# Altium PCB MCU025B.PcbDoc (part 1 of 3)
Units mm, origin at the board's own origin, x right, y up, seen from the top; angles counter-clockwise.
Board outline 60.42 x 146.24 mm, 6 copper layers (Top Signal, ISO GND, Middle Signal, PWR, SYS GND, Bottom Signal), stack 1.566 mm thick; 203 components, 176 nets, 822 pads, 366 vias.
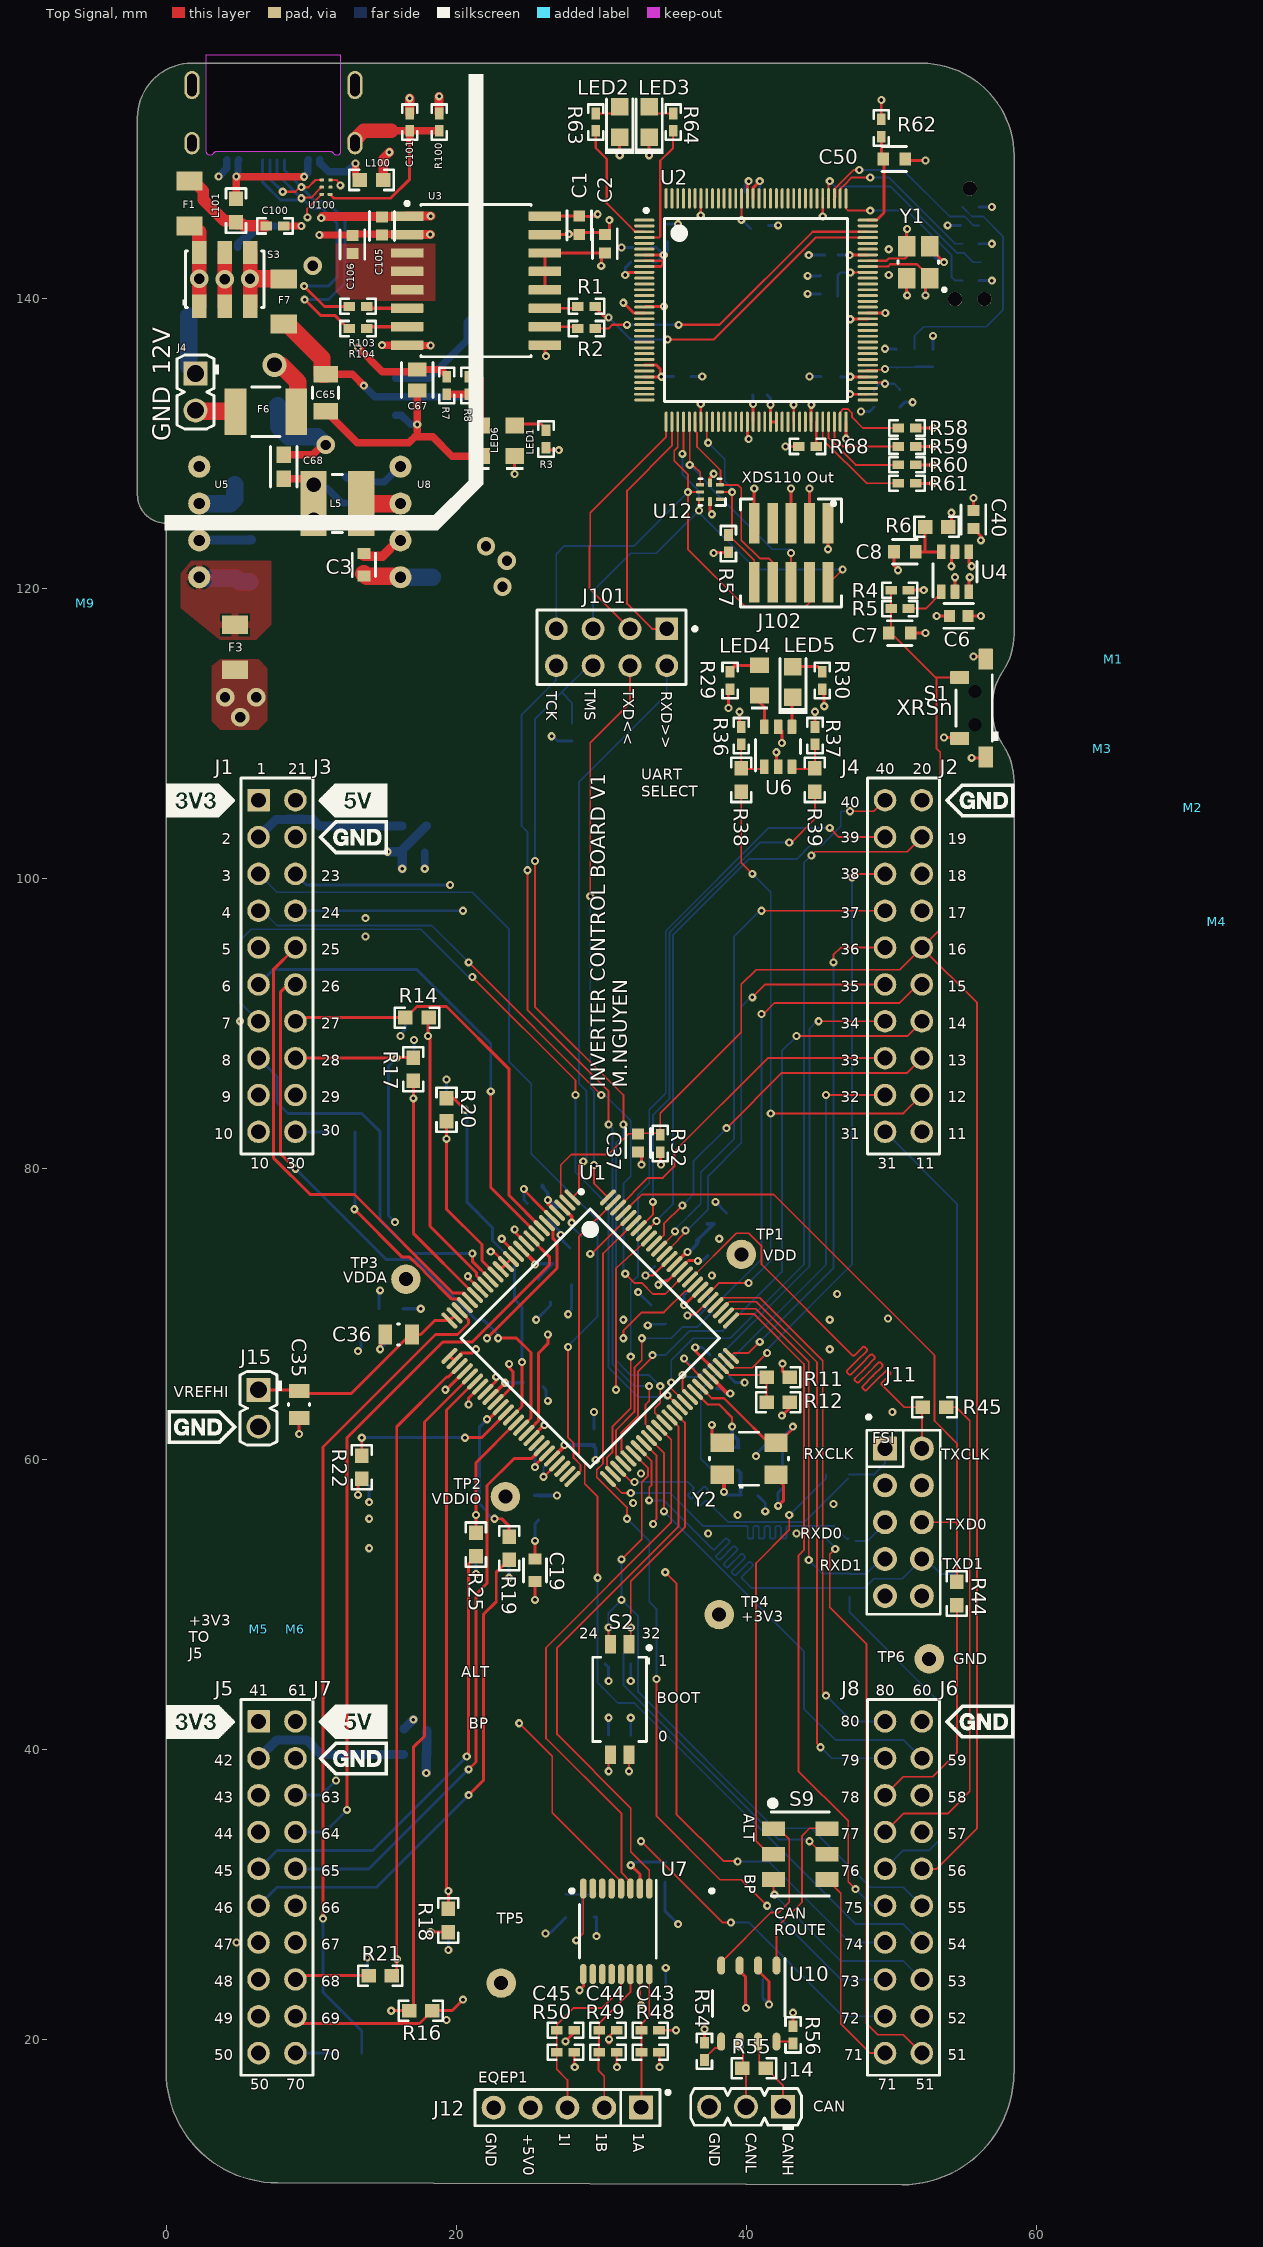
[diagram p0: Top Signal view]
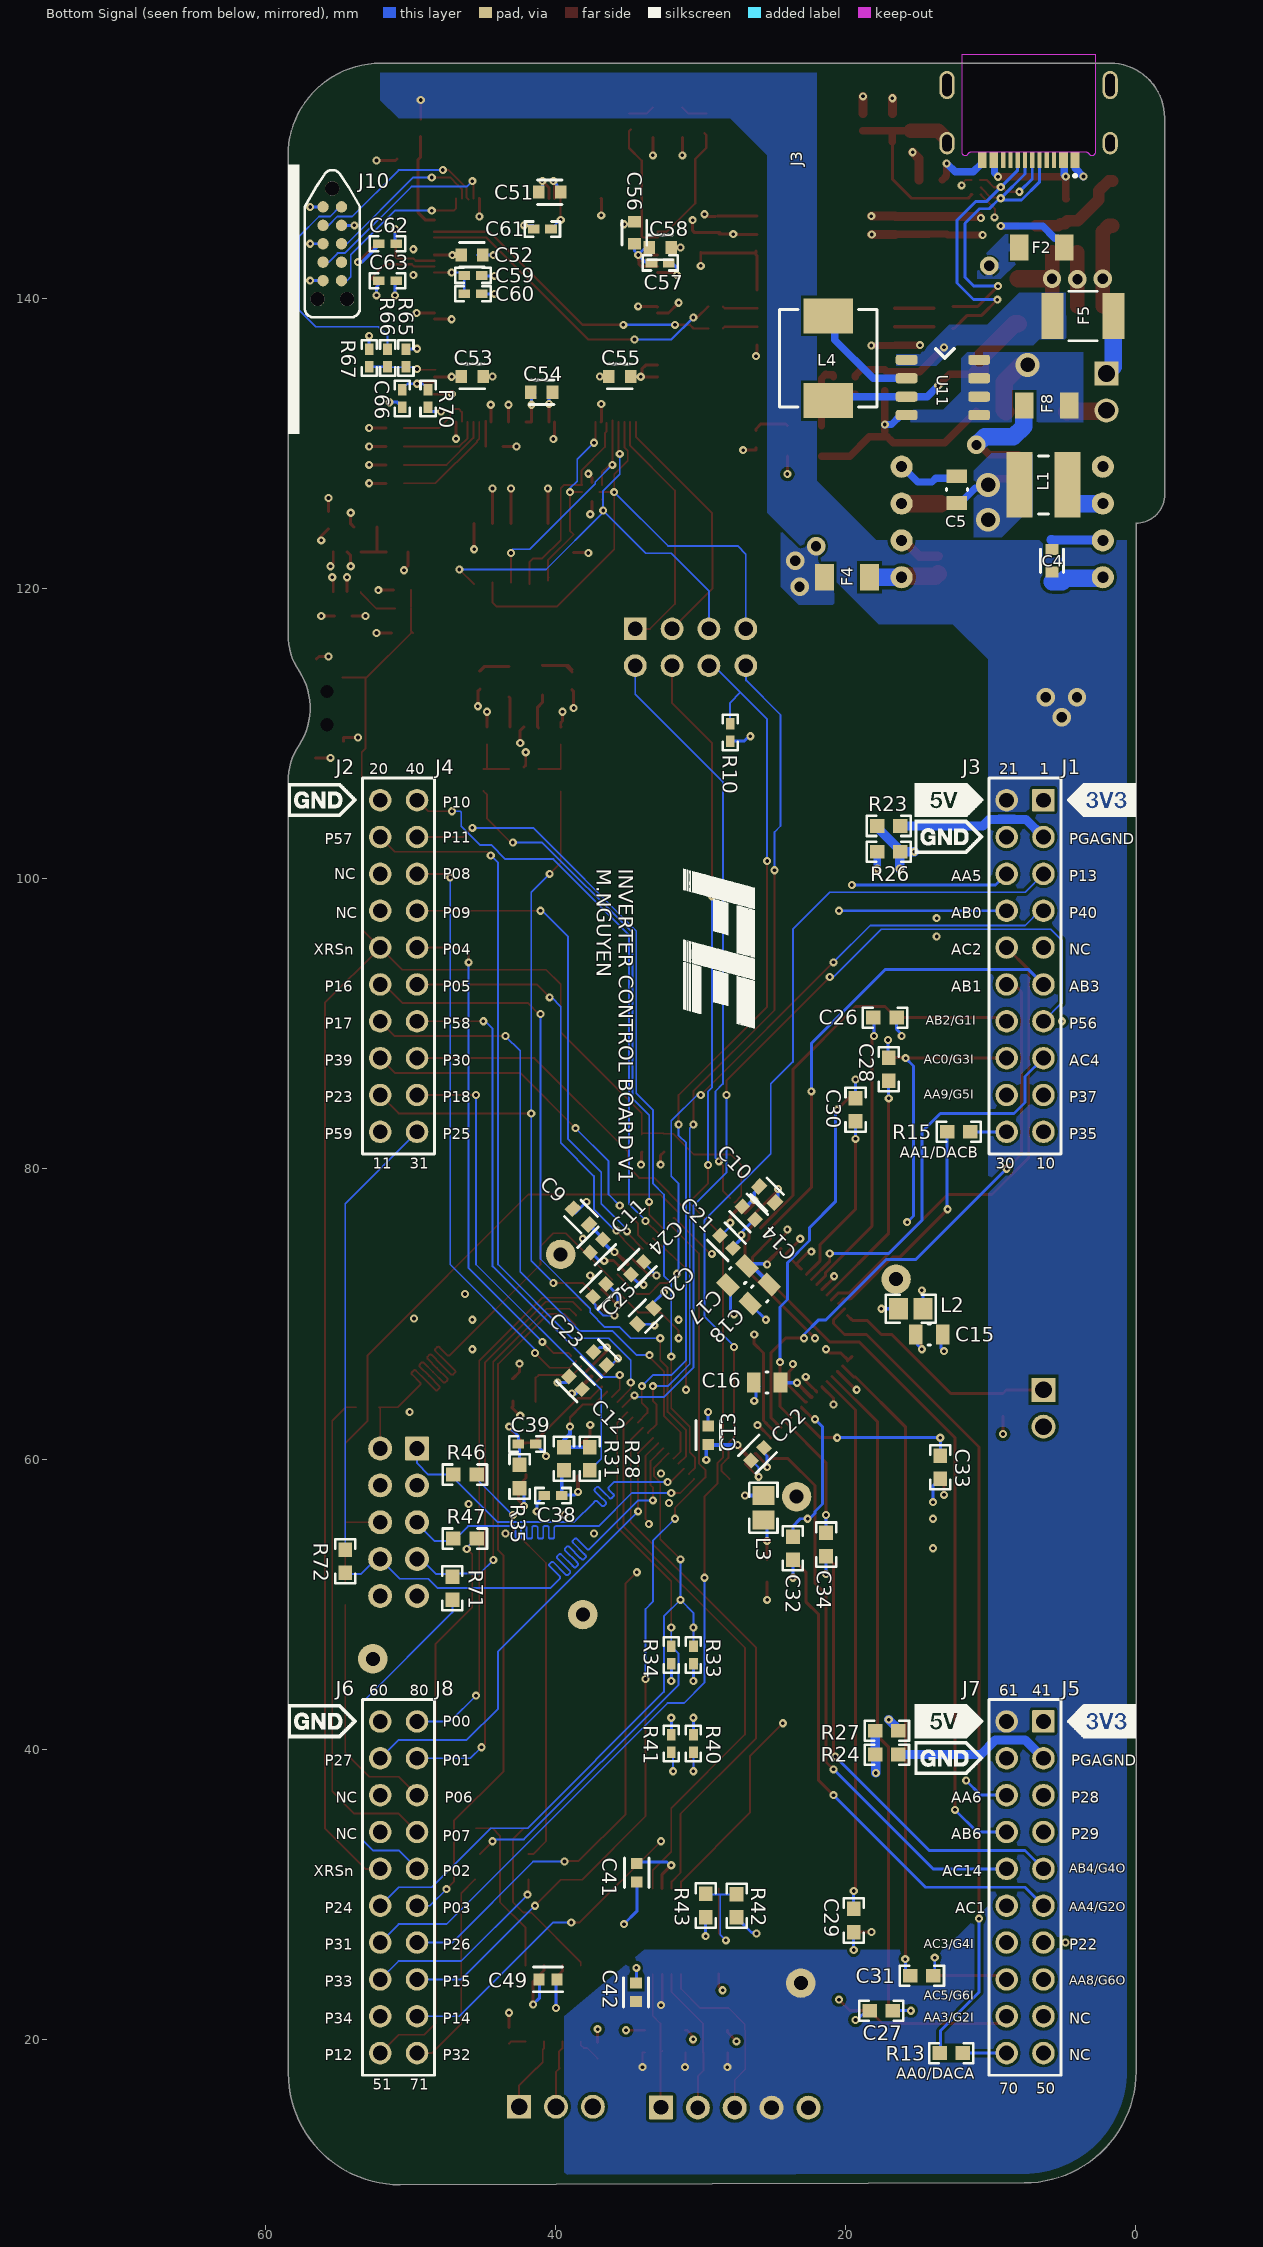
[diagram p1: Bottom Signal view, seen from below]
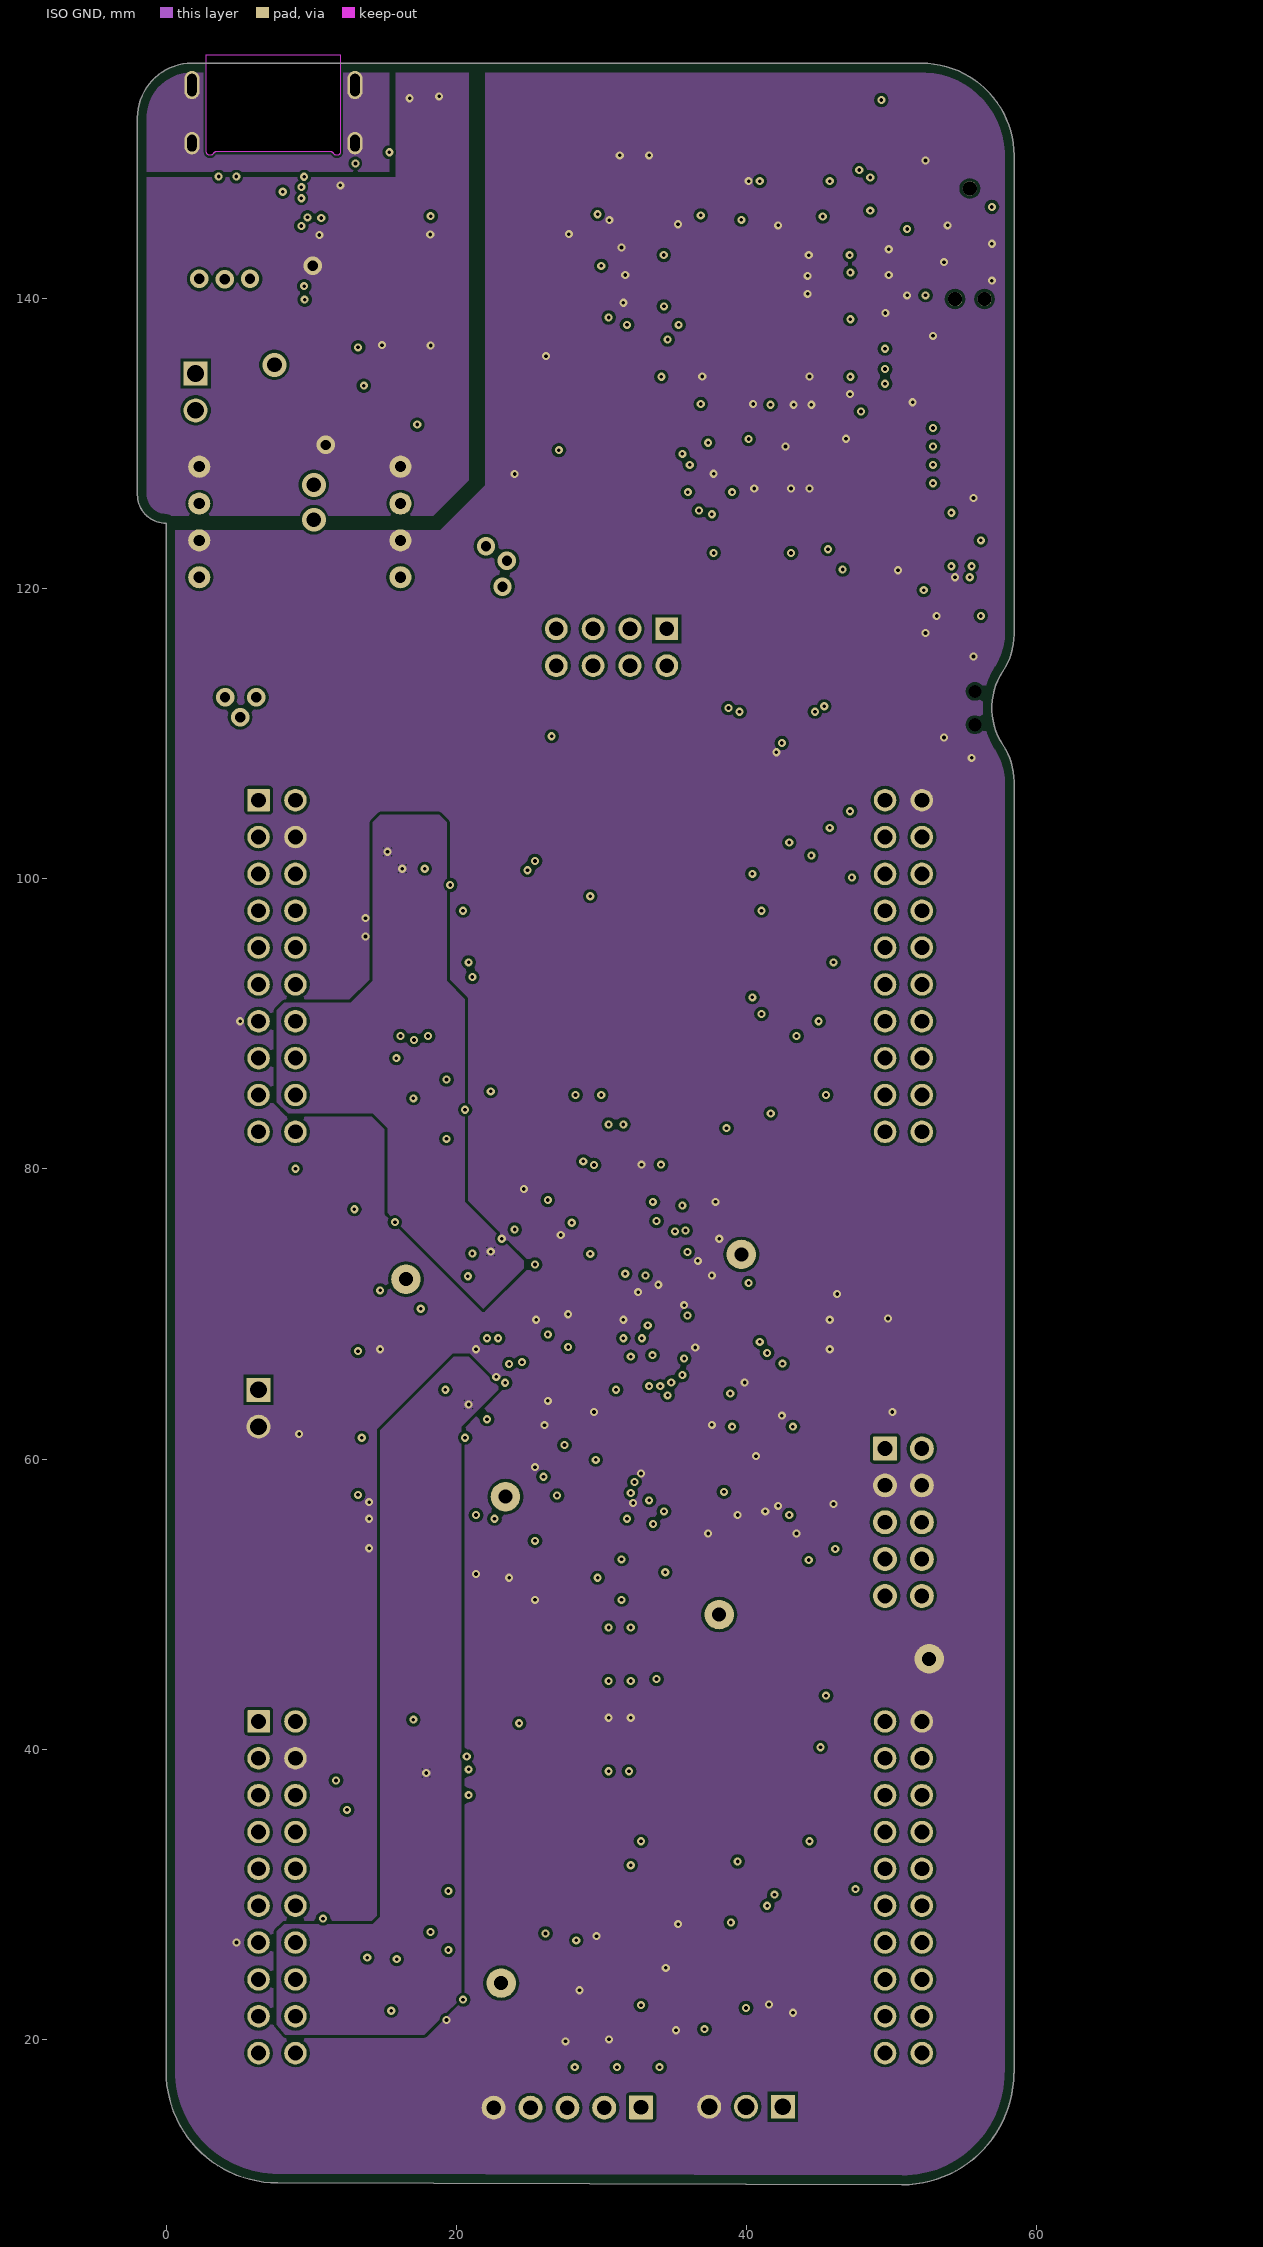
[diagram p2: ISO GND]
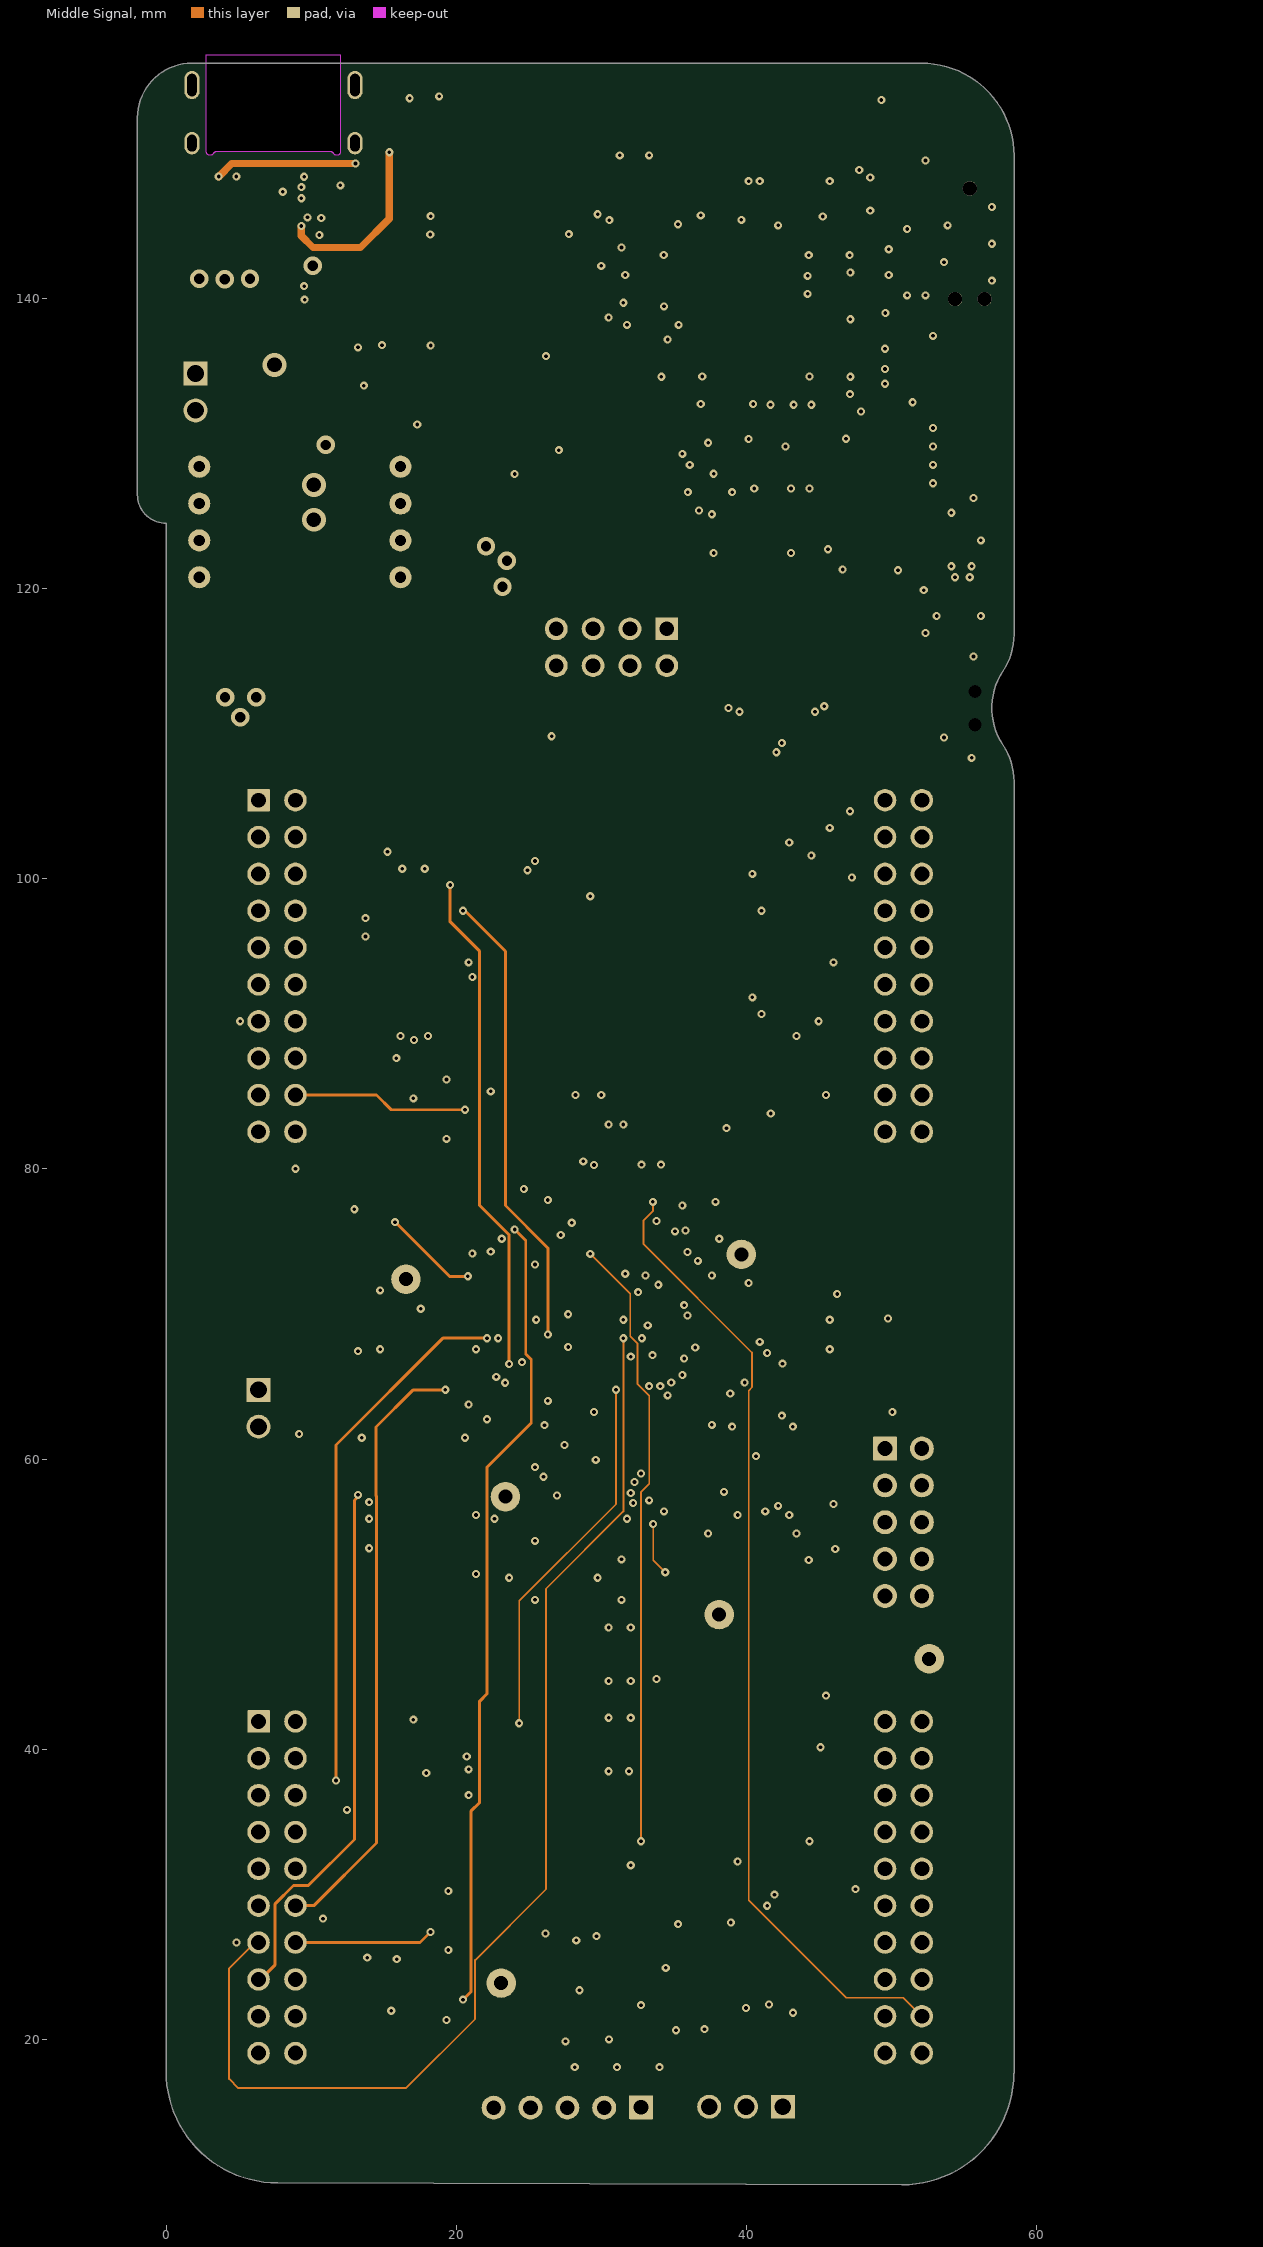
[diagram p3: Middle Signal]